# Altium PCB PCIe_to_M2E.PcbDoc (part 6 of 6)
Units mm, origin at the board's own origin, x right, y up, seen from the top; angles counter-clockwise.
Board outline 90 x 100 mm, 6 copper layers (1_TOP, 2_GND, 3_Signal, 4_GND, 5_Signal, 6_BOTTOM), stack 1.617 mm thick; 433 components, 362 nets, 1771 pads, 2680 vias.
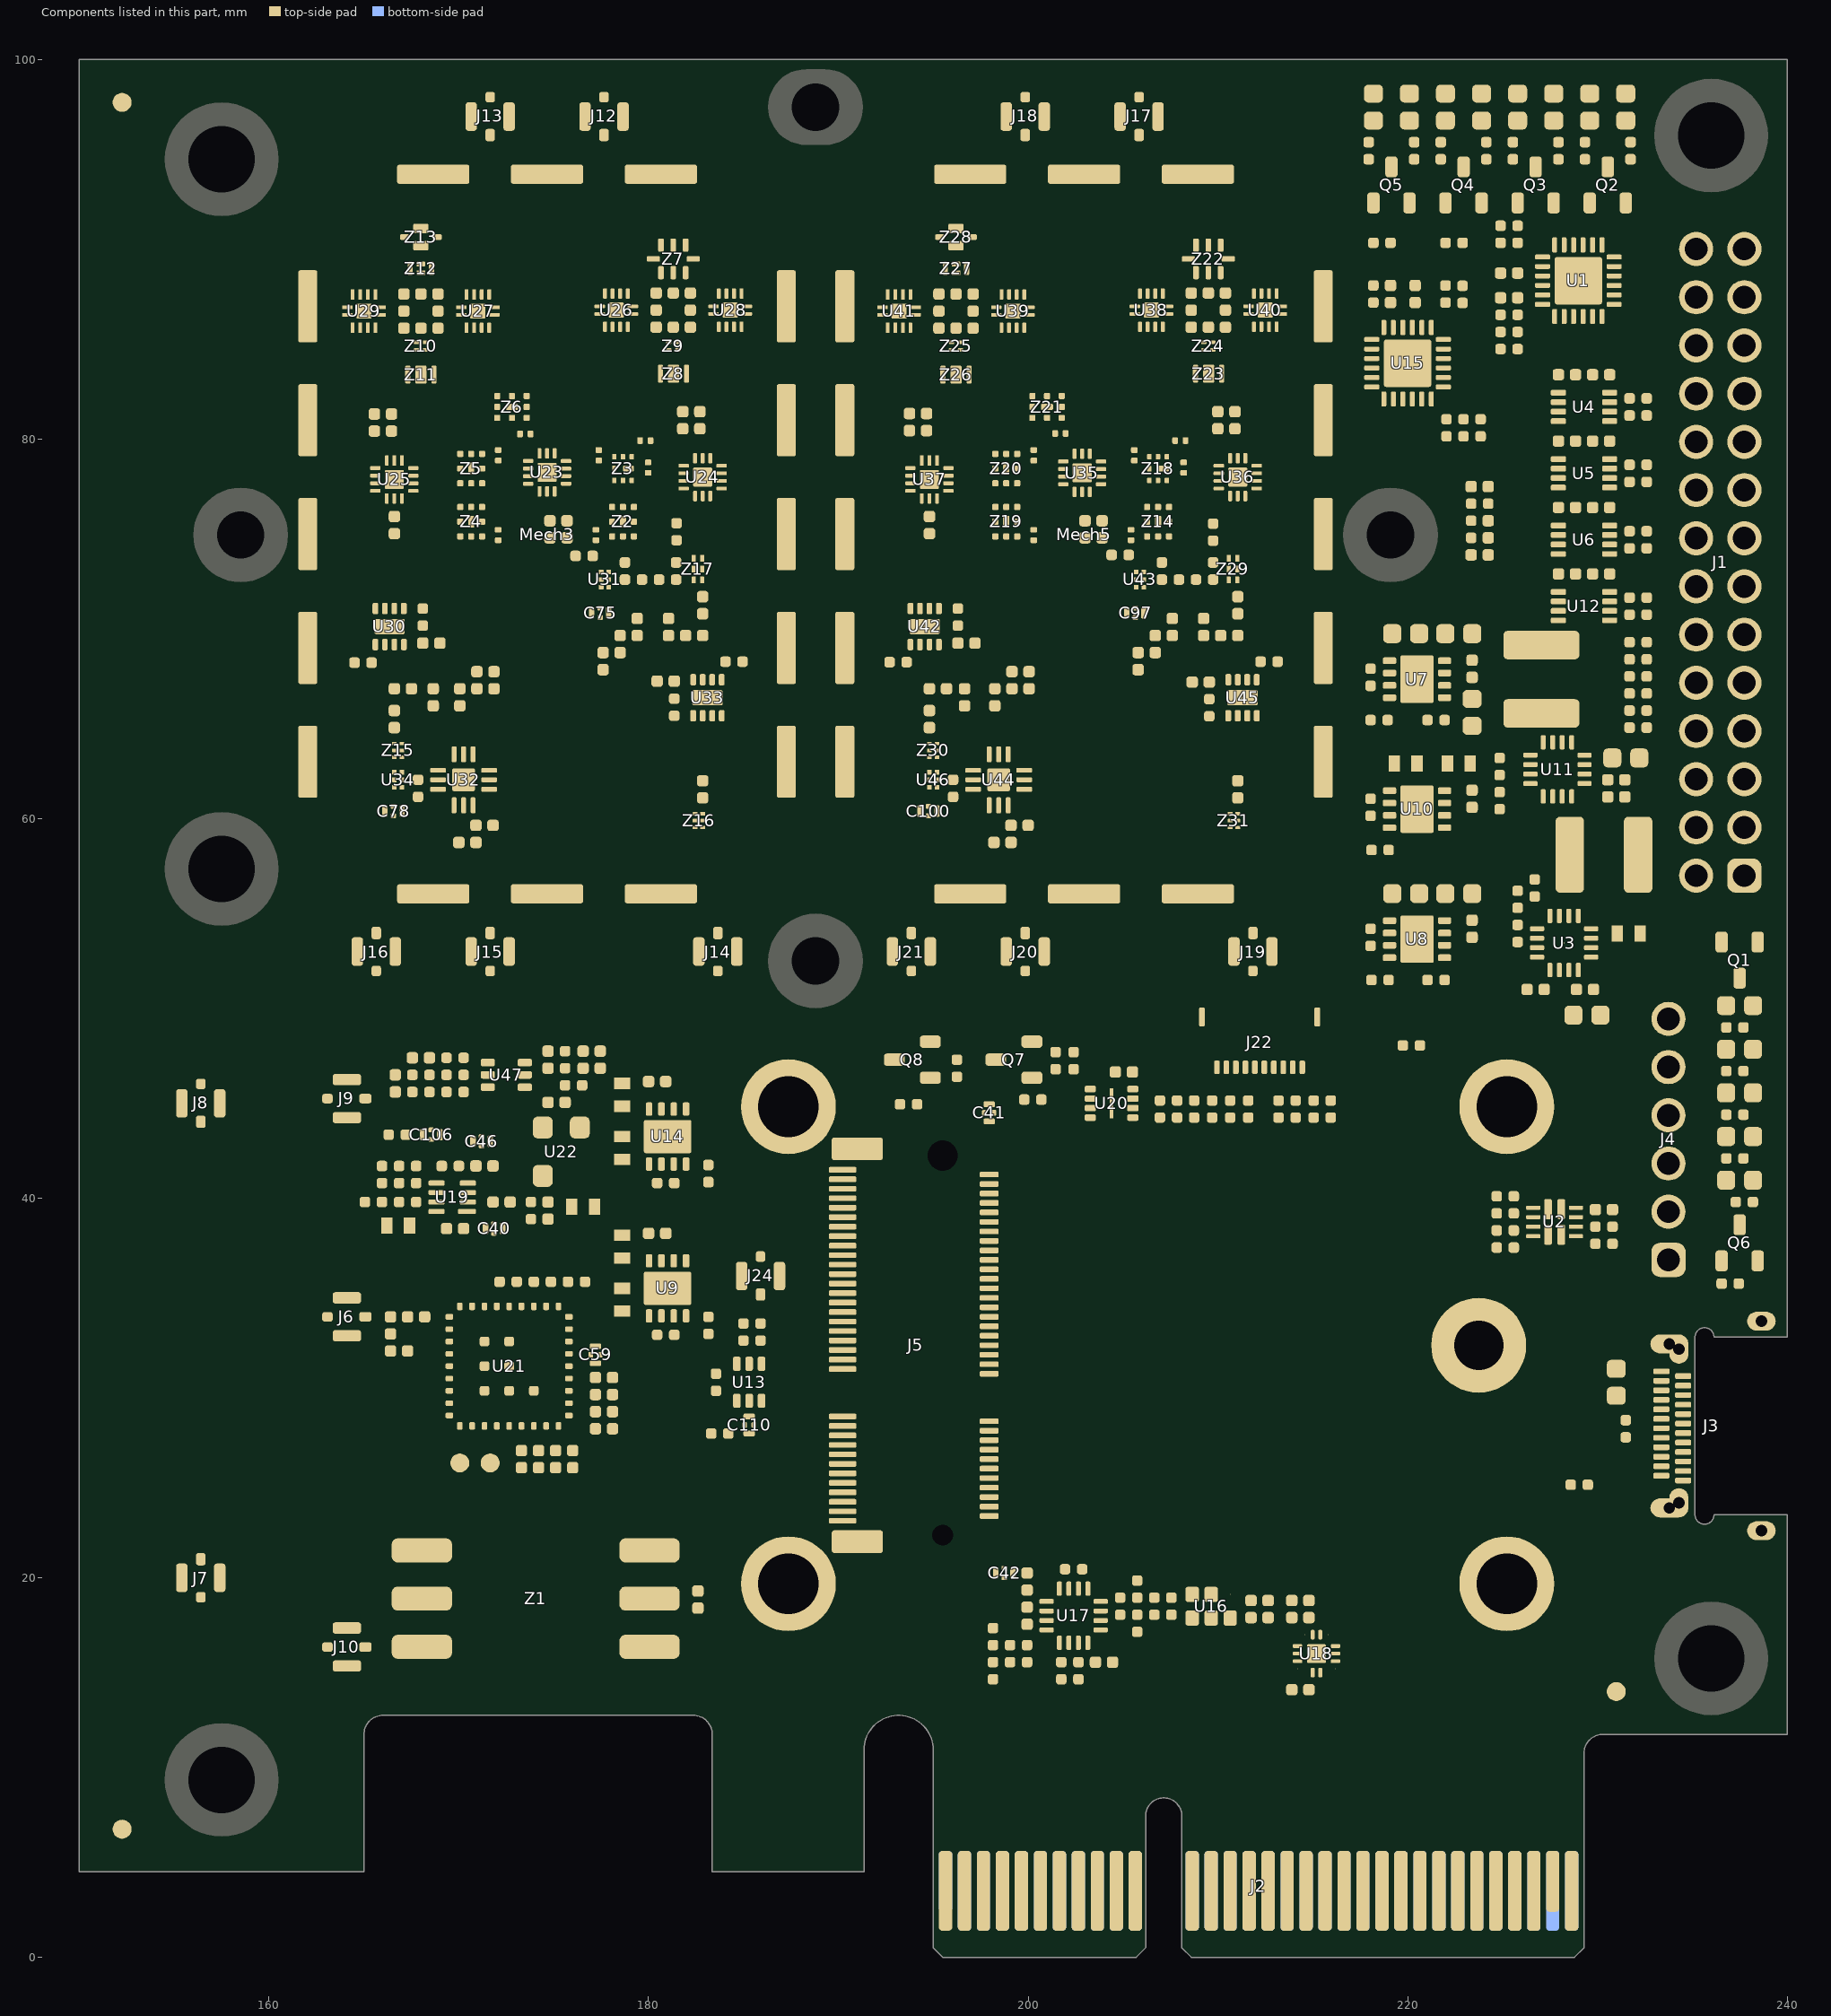
[diagram p10: the components of this part, seen from the top]

## Other copper (continued)
2_GND:
  pour cut-out: 163.35,15.8 163.35,16.9 cw(c163.5,16.9) 163.5,17.05 164.6,17.05 cw(c164.6,16.9) 164.75,16.9 164.75,16.75 ccw(c164.85,16.75) 164.85,16.65 165.3,16.65 cw(c165.3,16.5) 165.45,16.5 165.45,16.2 cw(c165.3,16.2) 165.3,16.05 164.85,16.05 ccw(c164.85,15.95) 164.75,15.95 164.75,15.8 cw(c164.6,15.8) 164.6,15.65 163.5,15.65 cw(c163.5,15.8)
  pour cut-out: 177.75,47.95 177.75,47.55 cw(c177.65,47.55) 177.65,47.45 177.25,47.45 cw(c177.25,47.55) 177.15,47.55 177.15,47.95 cw(c177.25,47.95) 177.25,48.05 177.65,48.05 cw(c177.65,47.95)
  pour cut-out: 177.75,47.05 177.75,46.65 cw(c177.65,46.65) 177.65,46.55 177.25,46.55 cw(c177.25,46.65) 177.15,46.65 177.15,47.05 cw(c177.25,47.05) 177.25,47.15 177.65,47.15 cw(c177.65,47.05)
  pour cut-out: 175,45.25 175,44.85 cw(c174.9,44.85) 174.9,44.75 174.5,44.75 cw(c174.5,44.85) 174.4,44.85 174.4,45.25 cw(c174.5,45.25) 174.5,45.35 174.9,45.35 cw(c174.9,45.25)
  pour cut-out: 175.9,45.25 175.9,44.85 cw(c175.8,44.85) 175.8,44.75 175.4,44.75 cw(c175.4,44.85) 175.3,44.85 175.3,45.25 cw(c175.4,45.25) 175.4,45.35 175.8,45.35 cw(c175.8,45.25)
  pour cut-out: 176.8,46.15 176.8,45.75 cw(c176.7,45.75) 176.7,45.65 176.3,45.65 cw(c176.3,45.75) 176.2,45.75 176.2,46.15 cw(c176.3,46.15) 176.3,46.25 176.7,46.25 cw(c176.7,46.15)
  pour cut-out: 176.85,47.05 176.85,46.65 cw(c176.75,46.65) 176.75,46.55 176.35,46.55 cw(c176.35,46.65) 176.25,46.65 176.25,47.05 cw(c176.35,47.05) 176.35,47.15 176.75,47.15 cw(c176.75,47.05)
  pour cut-out: 175.9,47.05 175.9,46.65 cw(c175.8,46.65) 175.8,46.55 175.4,46.55 cw(c175.4,46.65) 175.3,46.65 175.3,47.05 cw(c175.4,47.05) 175.4,47.15 175.8,47.15 cw(c175.8,47.05)
  pour cut-out: 163.35,33.2 163.35,34.3 cw(c163.5,34.3) 163.5,34.45 164.6,34.45 cw(c164.6,34.3) 164.75,34.3 164.75,34.15 ccw(c164.85,34.15) 164.85,34.05 165.3,34.05 cw(c165.3,33.9) 165.45,33.9 165.45,33.6 cw(c165.3,33.6) 165.3,33.45 164.85,33.45 ccw(c164.85,33.35) 164.75,33.35 164.75,33.2 cw(c164.6,33.2) 164.6,33.05 163.5,33.05 cw(c163.5,33.2)
  pour cut-out: 163.35,44.7 163.35,45.8 cw(c163.5,45.8) 163.5,45.95 164.6,45.95 cw(c164.6,45.8) 164.75,45.8 164.75,45.65 ccw(c164.85,45.65) 164.85,45.55 165.3,45.55 cw(c165.3,45.4) 165.45,45.4 165.45,45.1 cw(c165.3,45.1) 165.3,44.95 164.85,44.95 ccw(c164.85,44.85) 164.75,44.85 164.75,44.7 cw(c164.6,44.7) 164.6,44.55 163.5,44.55 cw(c163.5,44.7)
  pour cut-out: 211.3,65.625 211.3,65.225 cw(c211.15,65.225) 211.15,65.075 210.95,65.075 cw(c210.95,65.225) 210.8,65.225 210.8,65.625 cw(c210.95,65.625) 210.95,65.775 211.15,65.775 cw(c211.15,65.625)
  pour cut-out: 211.3,67.525 211.3,67.125 cw(c211.15,67.125) 211.15,66.975 210.95,66.975 cw(c210.95,67.125) 210.8,67.125 210.8,67.525 cw(c210.95,67.525) 210.95,67.675 211.15,67.675 cw(c211.15,67.525)
  pour cut-out: 195.05,71.275 195.05,70.875 cw(c194.9,70.875) 194.9,70.725 194.7,70.725 cw(c194.7,70.875) 194.55,70.875 194.55,71.275 cw(c194.7,71.275) 194.7,71.425 194.9,71.425 cw(c194.9,71.275)
  pour cut-out: 195.05,69.375 195.05,68.975 cw(c194.9,68.975) 194.9,68.825 194.7,68.825 cw(c194.7,68.975) 194.55,68.975 194.55,69.375 cw(c194.7,69.375) 194.7,69.525 194.9,69.525 cw(c194.9,69.375)
  pour cut-out: 166.85,69.375 166.85,68.975 cw(c166.7,68.975) 166.7,68.825 166.5,68.825 cw(c166.5,68.975) 166.35,68.975 166.35,69.375 cw(c166.5,69.375) 166.5,69.525 166.7,69.525 cw(c166.7,69.375)
  pour cut-out: 166.35,70.925 166.35,71.325 cw(c166.5,71.325) 166.5,71.475 166.7,71.475 cw(c166.7,71.325) 166.85,71.325 166.85,70.925 cw(c166.7,70.925) 166.7,70.775 166.5,70.775 cw(c166.5,70.925)
  pour cut-out: 210.85,70 211.25,70 cw(c211.25,69.85) 211.4,69.85 211.4,69.45 cw(c211.25,69.45) 211.25,69.3 210.85,69.3 cw(c210.85,69.45) 210.7,69.45 210.7,69.85 cw(c210.85,69.85)
  pour cut-out: 194.6,67.2 195,67.2 cw(c195,67.05) 195.15,67.05 195.15,66.65 cw(c195,66.65) 195,66.5 194.6,66.5 cw(c194.6,66.65) 194.45,66.65 194.45,67.05 cw(c194.6,67.05)
  pour cut-out: 182.65,70 183.05,70 cw(c183.05,69.85) 183.2,69.85 183.2,69.45 cw(c183.05,69.45) 183.05,69.3 182.65,69.3 cw(c182.65,69.45) 182.5,69.45 182.5,69.85 cw(c182.65,69.85)
  pour cut-out: 166.4,67.2 166.8,67.2 cw(c166.8,67.05) 166.95,67.05 166.95,66.65 cw(c166.8,66.65) 166.8,66.5 166.4,66.5 cw(c166.4,66.65) 166.25,66.65 166.25,67.05 cw(c166.4,67.05)
  pour cut-out: 181.35,20.75 178.75,20.75 cw(c178.75,21.1) 178.4,21.1 178.4,21.8 cw(c178.75,21.8) 178.75,22.15 181.35,22.15 cw(c181.35,21.8) 181.7,21.8 181.7,21.1 cw(c181.35,21.1)
  pour cut-out: 181.35,17.05 178.75,17.05 ccw(c178.75,16.7) 178.4,16.7 178.4,16 ccw(c178.75,16) 178.75,15.65 181.35,15.65 ccw(c181.35,16) 181.7,16 181.7,16.7 ccw(c181.35,16.7)
  pour cut-out: 166.75,17.05 169.35,17.05 cw(c169.35,16.7) 169.7,16.7 169.7,16 cw(c169.35,16) 169.35,15.65 166.75,15.65 cw(c166.75,16) 166.4,16 166.4,16.7 cw(c166.75,16.7)
  pour cut-out: 168.5,33.95 168.5,33.55 cw(c168.4,33.55) 168.4,33.45 168,33.45 cw(c168,33.55) 167.9,33.55 167.9,33.95 cw(c168,33.95) 168,34.05 168.4,34.05 cw(c168.4,33.95)
  pour cut-out: 167.6,33.95 167.6,33.55 cw(c167.5,33.55) 167.5,33.45 167.1,33.45 cw(c167.1,33.55) 167,33.55 167,33.95 cw(c167.1,33.95) 167.1,34.05 167.5,34.05 cw(c167.5,33.95)
  pour cut-out: 166.7,33.95 166.7,33.55 cw(c166.6,33.55) 166.6,33.45 166.2,33.45 cw(c166.2,33.55) 166.1,33.55 166.1,33.95 cw(c166.2,33.95) 166.2,34.05 166.6,34.05 cw(c166.6,33.95)
  pour cut-out: 166.95,45.8 166.95,45.4 cw(c166.85,45.4) 166.85,45.3 166.45,45.3 cw(c166.45,45.4) 166.35,45.4 166.35,45.8 cw(c166.45,45.8) 166.45,45.9 166.85,45.9 cw(c166.85,45.8)
  pour cut-out: 166.95,46.7 166.95,46.3 cw(c166.85,46.3) 166.85,46.2 166.45,46.2 cw(c166.45,46.3) 166.35,46.3 166.35,46.7 cw(c166.45,46.7) 166.45,46.8 166.85,46.8 cw(c166.85,46.7)
  pour cut-out: 170.55,47.6 170.55,47.2 cw(c170.45,47.2) 170.45,47.1 170.05,47.1 cw(c170.05,47.2) 169.95,47.2 169.95,47.6 cw(c170.05,47.6) 170.05,47.7 170.45,47.7 cw(c170.45,47.6)
  pour cut-out: 169.65,46.7 169.65,46.3 cw(c169.55,46.3) 169.55,46.2 169.15,46.2 cw(c169.15,46.3) 169.05,46.3 169.05,46.7 cw(c169.15,46.7) 169.15,46.8 169.55,46.8 cw(c169.55,46.7)
  pour cut-out: 169.65,47.6 169.65,47.2 cw(c169.55,47.2) 169.55,47.1 169.15,47.1 cw(c169.15,47.2) 169.05,47.2 169.05,47.6 cw(c169.15,47.6) 169.15,47.7 169.55,47.7 cw(c169.55,47.6)
  pour cut-out: 168.75,47.6 168.75,47.2 cw(c168.65,47.2) 168.65,47.1 168.25,47.1 cw(c168.25,47.2) 168.15,47.2 168.15,47.6 cw(c168.25,47.6) 168.25,47.7 168.65,47.7 cw(c168.65,47.6)
  pour cut-out: 175.9,46.15 175.9,45.75 cw(c175.8,45.75) 175.8,45.65 175.4,45.65 cw(c175.4,45.75) 175.3,45.75 175.3,46.15 cw(c175.4,46.15) 175.4,46.25 175.8,46.25 cw(c175.8,46.15)
  pour cut-out: 194.4,52.25 193.3,52.25 cw(c193.3,52.4) 193.15,52.4 193.15,53.5 cw(c193.3,53.5) 193.3,53.65 193.45,53.65 ccw(c193.45,53.75) 193.55,53.75 193.55,54.2 cw(c193.7,54.2) 193.7,54.35 194,54.35 cw(c194,54.2) 194.15,54.2 194.15,53.75 ccw(c194.25,53.75) 194.25,53.65 194.4,53.65 cw(c194.4,53.5) 194.55,53.5 194.55,52.4 cw(c194.4,52.4)
  pour cut-out: 183.05,60.7 182.65,60.7 cw(c182.65,60.9) 182.45,60.9 182.45,62.2 cw(c182.65,62.2) 182.65,62.4 183.05,62.4 cw(c183.05,62.2) 183.25,62.2 183.25,60.9 cw(c183.05,60.9)
  pour cut-out: 184.2,52.25 183.1,52.25 cw(c183.1,52.4) 182.95,52.4 182.95,53.5 cw(c183.1,53.5) 183.1,53.65 183.25,53.65 ccw(c183.25,53.75) 183.35,53.75 183.35,54.2 cw(c183.5,54.2) 183.5,54.35 183.8,54.35 cw(c183.8,54.2) 183.95,54.2 183.95,53.75 ccw(c184.05,53.75) 184.05,53.65 184.2,53.65 cw(c184.2,53.5) 184.35,53.5 184.35,52.4 cw(c184.2,52.4)
  pour cut-out: 212.4,52.25 211.3,52.25 cw(c211.3,52.4) 211.15,52.4 211.15,53.5 cw(c211.3,53.5) 211.3,53.65 211.45,53.65 ccw(c211.45,53.75) 211.55,53.75 211.55,54.2 cw(c211.7,54.2) 211.7,54.35 212,54.35 cw(c212,54.2) 212.15,54.2 212.15,53.75 ccw(c212.25,53.75) 212.25,53.65 212.4,53.65 cw(c212.4,53.5) 212.55,53.5 212.55,52.4 cw(c212.4,52.4)
  pour cut-out: 200.4,52.25 199.3,52.25 cw(c199.3,52.4) 199.15,52.4 199.15,53.5 cw(c199.3,53.5) 199.3,53.65 199.45,53.65 ccw(c199.45,53.75) 199.55,53.75 199.55,54.2 cw(c199.7,54.2) 199.7,54.35 200,54.35 cw(c200,54.2) 200.15,54.2 200.15,53.75 ccw(c200.25,53.75) 200.25,53.65 200.4,53.65 cw(c200.4,53.5) 200.55,53.5 200.55,52.4 cw(c200.4,52.4)
  pour cut-out: 195.95,62.4 196.35,62.4 cw(c196.35,62.25) 196.5,62.25 196.5,61.85 cw(c196.35,61.85) 196.35,61.7 195.95,61.7 cw(c195.95,61.85) 195.8,61.85 195.8,62.25 cw(c195.95,62.25)
  pour cut-out: 167.65,62.4 168.05,62.4 cw(c168.05,62.25) 168.2,62.25 168.2,61.85 cw(c168.05,61.85) 168.05,61.7 167.65,61.7 cw(c167.65,61.85) 167.5,61.85 167.5,62.25 cw(c167.65,62.25)
  pour cut-out: 172.2,52.25 171.1,52.25 cw(c171.1,52.4) 170.95,52.4 170.95,53.5 cw(c171.1,53.5) 171.1,53.65 171.25,53.65 ccw(c171.25,53.75) 171.35,53.75 171.35,54.2 cw(c171.5,54.2) 171.5,54.35 171.8,54.35 cw(c171.8,54.2) 171.95,54.2 171.95,53.75 ccw(c172.05,53.75) 172.05,53.65 172.2,53.65 cw(c172.2,53.5) 172.35,53.5 172.35,52.4 cw(c172.2,52.4)
  pour cut-out: 166.2,52.25 165.1,52.25 cw(c165.1,52.4) 164.95,52.4 164.95,53.5 cw(c165.1,53.5) 165.1,53.65 165.25,53.65 ccw(c165.25,53.75) 165.35,53.75 165.35,54.2 cw(c165.5,54.2) 165.5,54.35 165.8,54.35 cw(c165.8,54.2) 165.95,54.2 165.95,53.75 ccw(c166.05,53.75) 166.05,53.65 166.2,53.65 cw(c166.2,53.5) 166.35,53.5 166.35,52.4 cw(c166.2,52.4)
  pour cut-out: 179.45,74.75 179.45,75 ccw(c179.35,75) 179.35,75.1 179.1,75.1 ccw(c179.1,75) 179,75 179,74.75 ccw(c179.1,74.75) 179.1,74.65 179.35,74.65 ccw(c179.35,74.75)
  pour cut-out: 166.8,64.425 166.4,64.425 cw(c166.4,64.625) 166.2,64.625 166.2,65.925 cw(c166.4,65.925) 166.4,66.125 166.8,66.125 cw(c166.8,65.925) 167,65.925 167,64.625 cw(c166.8,64.625)
  pour cut-out: 211.25,60.7 210.85,60.7 cw(c210.85,60.9) 210.65,60.9 210.65,62.2 cw(c210.85,62.2) 210.85,62.4 211.25,62.4 cw(c211.25,62.2) 211.45,62.2 211.45,60.9 cw(c211.25,60.9)
  pour cut-out: 207.65,76.3 207.65,76.55 ccw(c207.55,76.55) 207.55,76.65 207.3,76.65 ccw(c207.3,76.55) 207.2,76.55 207.2,76.3 ccw(c207.3,76.3) 207.3,76.2 207.55,76.2 ccw(c207.55,76.3)
  pour cut-out: 207.65,74.75 207.65,75 ccw(c207.55,75) 207.55,75.1 207.3,75.1 ccw(c207.3,75) 207.2,75 207.2,74.75 ccw(c207.3,74.75) 207.3,74.65 207.55,74.65 ccw(c207.55,74.75)
  pour cut-out: 208.15,89.75 208.75,89.75 cw(c208.75,89.6) 208.9,89.6 208.9,89.4 cw(c208.75,89.4) 208.75,89.25 208.15,89.25 cw(c208.15,89.4) 208,89.4 208,89.6 cw(c208.15,89.6)
  pour cut-out: 206.5,75.525 206.5,75.775 ccw(c206.4,75.775) 206.4,75.875 206.15,75.875 ccw(c206.15,75.775) 206.05,75.775 206.05,75.525 ccw(c206.15,75.525) 206.15,75.425 206.4,75.425 ccw(c206.4,75.525)
  pour cut-out: 199.3,97.75 200.4,97.75 cw(c200.4,97.6) 200.55,97.6 200.55,96.5 cw(c200.4,96.5) 200.4,96.35 200.25,96.35 ccw(c200.25,96.25) 200.15,96.25 200.15,95.8 cw(c200,95.8) 200,95.65 199.7,95.65 cw(c199.7,95.8) 199.55,95.8 199.55,96.25 ccw(c199.45,96.25) 199.45,96.35 199.3,96.35 cw(c199.3,96.5) 199.15,96.5 199.15,97.6 cw(c199.3,97.6)
  pour cut-out: 198.5,74.75 198.5,75 ccw(c198.4,75) 198.4,75.1 198.15,75.1 ccw(c198.15,75) 198.05,75 198.05,74.75 ccw(c198.15,74.75) 198.15,74.65 198.4,74.65 ccw(c198.4,74.75)
  pour cut-out: 199.65,75.525 199.65,75.775 ccw(c199.55,75.775) 199.55,75.875 199.3,75.875 ccw(c199.3,75.775) 199.2,75.775 199.2,75.525 ccw(c199.3,75.525) 199.3,75.425 199.55,75.425 ccw(c199.55,75.525)
  pour cut-out: 205.3,97.75 206.4,97.75 cw(c206.4,97.6) 206.55,97.6 206.55,96.5 cw(c206.4,96.5) 206.4,96.35 206.25,96.35 ccw(c206.25,96.25) 206.15,96.25 206.15,95.8 cw(c206,95.8) 206,95.65 205.7,95.65 cw(c205.7,95.8) 205.55,95.8 205.55,96.25 ccw(c205.45,96.25) 205.45,96.35 205.3,96.35 cw(c205.3,96.5) 205.15,96.5 205.15,97.6 cw(c205.3,97.6)
  pour cut-out: 194.6,76.325 195,76.325 cw(c195,76.125) 195.2,76.125 195.2,74.825 cw(c195,74.825) 195,74.625 194.6,74.625 cw(c194.6,74.825) 194.4,74.825 194.4,76.125 cw(c194.6,76.125)
  pour cut-out: 195,64.425 194.6,64.425 cw(c194.6,64.625) 194.4,64.625 194.4,65.925 cw(c194.6,65.925) 194.6,66.125 195,66.125 cw(c195,65.925) 195.2,65.925 195.2,64.625 cw(c195,64.625)
  pour cut-out: 178.6,72.95 181.6,72.95 cw(c181.6,72.75) 181.8,72.75 181.8,72.45 cw(c181.6,72.45) 181.6,72.25 178.6,72.25 cw(c178.6,72.45) 178.4,72.45 178.4,72.75 cw(c178.6,72.75)
  pour cut-out: 182.65,72.1 183.05,72.1 cw(c183.05,71.9) 183.25,71.9 183.25,70.6 cw(c183.05,70.6) 183.05,70.4 182.65,70.4 cw(c182.65,70.6) 182.45,70.6 182.45,71.9 cw(c182.65,71.9)
  pour cut-out: 210.85,72.1 211.25,72.1 cw(c211.25,71.9) 211.45,71.9 211.45,70.6 cw(c211.25,70.6) 211.25,70.4 210.85,70.4 cw(c210.85,70.6) 210.65,70.6 210.65,71.9 cw(c210.85,71.9)
  pour cut-out: 206.9,72.95 209.9,72.95 cw(c209.9,72.75) 210.1,72.75 210.1,72.45 cw(c209.9,72.45) 209.9,72.25 206.9,72.25 cw(c206.9,72.45) 206.7,72.45 206.7,72.75 cw(c206.9,72.75)
  pour cut-out: 170.3,74.75 170.3,75 ccw(c170.2,75) 170.2,75.1 169.95,75.1 ccw(c169.95,75) 169.85,75 169.85,74.75 ccw(c169.95,74.75) 169.95,74.65 170.2,74.65 ccw(c170.2,74.75)
  pour cut-out: 171.45,75.525 171.45,75.775 ccw(c171.35,75.775) 171.35,75.875 171.1,75.875 ccw(c171.1,75.775) 171,75.775 171,75.525 ccw(c171.1,75.525) 171.1,75.425 171.35,75.425 ccw(c171.35,75.525)
  pour cut-out: 170.3,76.3 170.3,76.55 ccw(c170.2,76.55) 170.2,76.65 169.95,76.65 ccw(c169.95,76.55) 169.85,76.55 169.85,76.3 ccw(c169.95,76.3) 169.95,76.2 170.2,76.2 ccw(c170.2,76.3)
  pour cut-out: 166.4,76.325 166.8,76.325 cw(c166.8,76.125) 167,76.125 167,74.825 cw(c166.8,74.825) 166.8,74.625 166.4,74.625 cw(c166.4,74.825) 166.2,74.825 166.2,76.125 cw(c166.4,76.125)
  pour cut-out: 178.3,75.525 178.3,75.775 ccw(c178.2,75.775) 178.2,75.875 177.95,75.875 ccw(c177.95,75.775) 177.85,75.775 177.85,75.525 ccw(c177.95,75.525) 177.95,75.425 178.2,75.425 ccw(c178.2,75.525)
  pour cut-out: 179.45,76.3 179.45,76.55 ccw(c179.35,76.55) 179.35,76.65 179.1,76.65 ccw(c179.1,76.55) 179,76.55 179,76.3 ccw(c179.1,76.3) 179.1,76.2 179.35,76.2 ccw(c179.35,76.3)
  pour cut-out: 198.5,76.3 198.5,76.55 ccw(c198.4,76.55) 198.4,76.65 198.15,76.65 ccw(c198.15,76.55) 198.05,76.55 198.05,76.3 ccw(c198.15,76.3) 198.15,76.2 198.4,76.2 ccw(c198.4,76.3)
  pour cut-out: 210.85,89.75 210.25,89.75 ccw(c210.25,89.6) 210.1,89.6 210.1,89.4 ccw(c210.25,89.4) 210.25,89.25 210.85,89.25 ccw(c210.85,89.4) 211,89.4 211,89.6 ccw(c210.85,89.6)
  pour cut-out: 197.25,90.9 196.85,90.9 ccw(c196.85,90.75) 196.7,90.75 196.7,90.55 ccw(c196.85,90.55) 196.85,90.4 197.25,90.4 ccw(c197.25,90.55) 197.4,90.55 197.4,90.75 ccw(c197.25,90.75)
  pour cut-out: 195.15,90.9 195.55,90.9 cw(c195.55,90.75) 195.7,90.75 195.7,90.55 cw(c195.55,90.55) 195.55,90.4 195.15,90.4 cw(c195.15,90.55) 195,90.55 195,90.75 cw(c195.15,90.75)
  pour cut-out: 195.55,88.55 195.725,88.55 ccw(c195.725,88.7) 195.875,88.7 195.875,89.3 ccw(c195.725,89.3) 195.725,89.45 195.55,89.45 ccw(c195.55,89.3) 195.4,89.3 195.4,88.7 ccw(c195.55,88.7)
  pour cut-out: 196.85,88.55 196.675,88.55 cw(c196.675,88.7) 196.525,88.7 196.525,89.3 cw(c196.675,89.3) 196.675,89.45 196.85,89.45 cw(c196.85,89.3) 197,89.3 197,88.7 cw(c196.85,88.7)
  pour cut-out: 177.1,97.75 178.2,97.75 cw(c178.2,97.6) 178.35,97.6 178.35,96.5 cw(c178.2,96.5) 178.2,96.35 178.05,96.35 ccw(c178.05,96.25) 177.95,96.25 177.95,95.8 cw(c177.8,95.8) 177.8,95.65 177.5,95.65 cw(c177.5,95.8) 177.35,95.8 177.35,96.25 ccw(c177.25,96.25) 177.25,96.35 177.1,96.35 cw(c177.1,96.5) 176.95,96.5 176.95,97.6 cw(c177.1,97.6)
  pour cut-out: 171.1,97.75 172.2,97.75 cw(c172.2,97.6) 172.35,97.6 172.35,96.5 cw(c172.2,96.5) 172.2,96.35 172.05,96.35 ccw(c172.05,96.25) 171.95,96.25 171.95,95.8 cw(c171.8,95.8) 171.8,95.65 171.5,95.65 cw(c171.5,95.8) 171.35,95.8 171.35,96.25 ccw(c171.25,96.25) 171.25,96.35 171.1,96.35 cw(c171.1,96.5) 170.95,96.5 170.95,97.6 cw(c171.1,97.6)
  pour cut-out: 182.65,89.75 182.05,89.75 ccw(c182.05,89.6) 181.9,89.6 181.9,89.4 ccw(c182.05,89.4) 182.05,89.25 182.65,89.25 ccw(c182.65,89.4) 182.8,89.4 182.8,89.6 ccw(c182.65,89.6)
  pour cut-out: 179.95,89.75 180.55,89.75 cw(c180.55,89.6) 180.7,89.6 180.7,89.4 cw(c180.55,89.4) 180.55,89.25 179.95,89.25 cw(c179.95,89.4) 179.8,89.4 179.8,89.6 cw(c179.95,89.6)
  pour cut-out: 169.05,90.9 168.65,90.9 ccw(c168.65,90.75) 168.5,90.75 168.5,90.55 ccw(c168.65,90.55) 168.65,90.4 169.05,90.4 ccw(c169.05,90.55) 169.2,90.55 169.2,90.75 ccw(c169.05,90.75)
  pour cut-out: 166.95,90.9 167.35,90.9 cw(c167.35,90.75) 167.5,90.75 167.5,90.55 cw(c167.35,90.55) 167.35,90.4 166.95,90.4 cw(c166.95,90.55) 166.8,90.55 166.8,90.75 cw(c166.95,90.75)
  pour cut-out: 167.35,88.55 167.525,88.55 ccw(c167.525,88.7) 167.675,88.7 167.675,89.3 ccw(c167.525,89.3) 167.525,89.45 167.35,89.45 ccw(c167.35,89.3) 167.2,89.3 167.2,88.7 ccw(c167.35,88.7)
  pour cut-out: 168.65,88.55 168.475,88.55 cw(c168.475,88.7) 168.325,88.7 168.325,89.3 cw(c168.475,89.3) 168.475,89.45 168.65,89.45 cw(c168.65,89.3) 168.8,89.3 168.8,88.7 cw(c168.65,88.7)
  pour cut-out: 202,82.15 202,82.4 ccw(c201.9,82.4) 201.9,82.5 201.65,82.5 ccw(c201.65,82.4) 201.55,82.4 201.55,82.15 ccw(c201.65,82.15) 201.65,82.05 201.9,82.05 ccw(c201.9,82.15)
  pour cut-out: 201.225,81 201.225,81.25 ccw(c201.125,81.25) 201.125,81.35 200.875,81.35 ccw(c200.875,81.25) 200.775,81.25 200.775,81 ccw(c200.875,81) 200.875,80.9 201.125,80.9 ccw(c201.125,81)
  pour cut-out: 200.45,82.15 200.45,82.4 ccw(c200.35,82.4) 200.35,82.5 200.1,82.5 ccw(c200.1,82.4) 200,82.4 200,82.15 ccw(c200.1,82.15) 200.1,82.05 200.35,82.05 ccw(c200.35,82.15)
  pour cut-out: 171.45,78.325 171.45,78.575 ccw(c171.35,78.575) 171.35,78.675 171.1,78.675 ccw(c171.1,78.575) 171,78.575 171,78.325 ccw(c171.1,78.325) 171.1,78.225 171.35,78.225 ccw(c171.35,78.325)
  pour cut-out: 179.335,78.95 179.335,79.2 ccw(c179.235,79.2) 179.235,79.3 178.985,79.3 ccw(c178.985,79.2) 178.885,79.2 178.885,78.95 ccw(c178.985,78.95) 178.985,78.85 179.235,78.85 ccw(c179.235,78.95)
  pour cut-out: 178.415,78.325 178.415,78.575 ccw(c178.315,78.575) 178.315,78.675 178.065,78.675 ccw(c178.065,78.575) 177.965,78.575 177.965,78.325 ccw(c178.065,78.325) 178.065,78.225 178.315,78.225 ccw(c178.315,78.325)
  pour cut-out: 173.8,82.15 173.8,82.4 ccw(c173.7,82.4) 173.7,82.5 173.45,82.5 ccw(c173.45,82.4) 173.35,82.4 173.35,82.15 ccw(c173.45,82.15) 173.45,82.05 173.7,82.05 ccw(c173.7,82.15)
  pour cut-out: 172.25,82.15 172.25,82.4 ccw(c172.15,82.4) 172.15,82.5 171.9,82.5 ccw(c171.9,82.4) 171.8,82.4 171.8,82.15 ccw(c171.9,82.15) 171.9,82.05 172.15,82.05 ccw(c172.15,82.15)
  pour cut-out: 173.025,81 173.025,81.25 ccw(c172.925,81.25) 172.925,81.35 172.675,81.35 ccw(c172.675,81.25) 172.575,81.25 172.575,81 ccw(c172.675,81) 172.675,80.9 172.925,80.9 ccw(c172.925,81)
  pour cut-out: 170.3,77.55 170.3,77.8 ccw(c170.2,77.8) 170.2,77.9 169.95,77.9 ccw(c169.95,77.8) 169.85,77.8 169.85,77.55 ccw(c169.95,77.55) 169.95,77.45 170.2,77.45 ccw(c170.2,77.55)
  pour cut-out: 170.3,79.1 170.3,79.35 ccw(c170.2,79.35) 170.2,79.45 169.95,79.45 ccw(c169.95,79.35) 169.85,79.35 169.85,79.1 ccw(c169.95,79.1) 169.95,79 170.2,79 ccw(c170.2,79.1)
  pour cut-out: 179.335,77.7 179.335,77.95 ccw(c179.235,77.95) 179.235,78.05 178.985,78.05 ccw(c178.985,77.95) 178.885,77.95 178.885,77.7 ccw(c178.985,77.7) 178.985,77.6 179.235,77.6 ccw(c179.235,77.7)
  pour cut-out: 180.55,84 180.7,84 cw(c180.7,83.85) 180.85,83.85 180.85,83.05 cw(c180.7,83.05) 180.7,82.9 180.55,82.9 cw(c180.55,83.05) 180.4,83.05 180.4,83.85 cw(c180.55,83.85)
  pour cut-out: 182.075,84 181.925,84 ccw(c181.925,83.85) 181.775,83.85 181.775,83.05 ccw(c181.925,83.05) 181.925,82.9 182.075,82.9 ccw(c182.075,83.05) 182.225,83.05 182.225,83.85 ccw(c182.075,83.85)
  pour cut-out: 168.762,83.95 168.612,83.95 ccw(c168.612,83.8) 168.462,83.8 168.462,83 ccw(c168.612,83) 168.612,82.85 168.762,82.85 ccw(c168.762,83) 168.912,83 168.912,83.8 ccw(c168.763,83.8)
  pour cut-out: 167.237,83.95 167.388,83.95 cw(c167.388,83.8) 167.538,83.8 167.538,83 cw(c167.388,83) 167.387,82.85 167.237,82.85 cw(c167.237,83) 167.087,83 167.087,83.8 cw(c167.237,83.8)
  pour cut-out: 198.5,79.1 198.5,79.35 ccw(c198.4,79.35) 198.4,79.45 198.15,79.45 ccw(c198.15,79.35) 198.05,79.35 198.05,79.1 ccw(c198.15,79.1) 198.15,79 198.4,79 ccw(c198.4,79.1)
  pour cut-out: 195.437,83.95 195.588,83.95 cw(c195.588,83.8) 195.738,83.8 195.738,83 cw(c195.588,83) 195.587,82.85 195.437,82.85 cw(c195.437,83) 195.287,83 195.287,83.8 cw(c195.437,83.8)
  pour cut-out: 196.962,83.95 196.812,83.95 ccw(c196.812,83.8) 196.662,83.8 196.662,83 ccw(c196.812,83) 196.812,82.85 196.962,82.85 ccw(c196.962,83) 197.112,83 197.112,83.8 ccw(c196.963,83.8)